# KiCad board tekskey-rounded.kicad_pcb (continued)
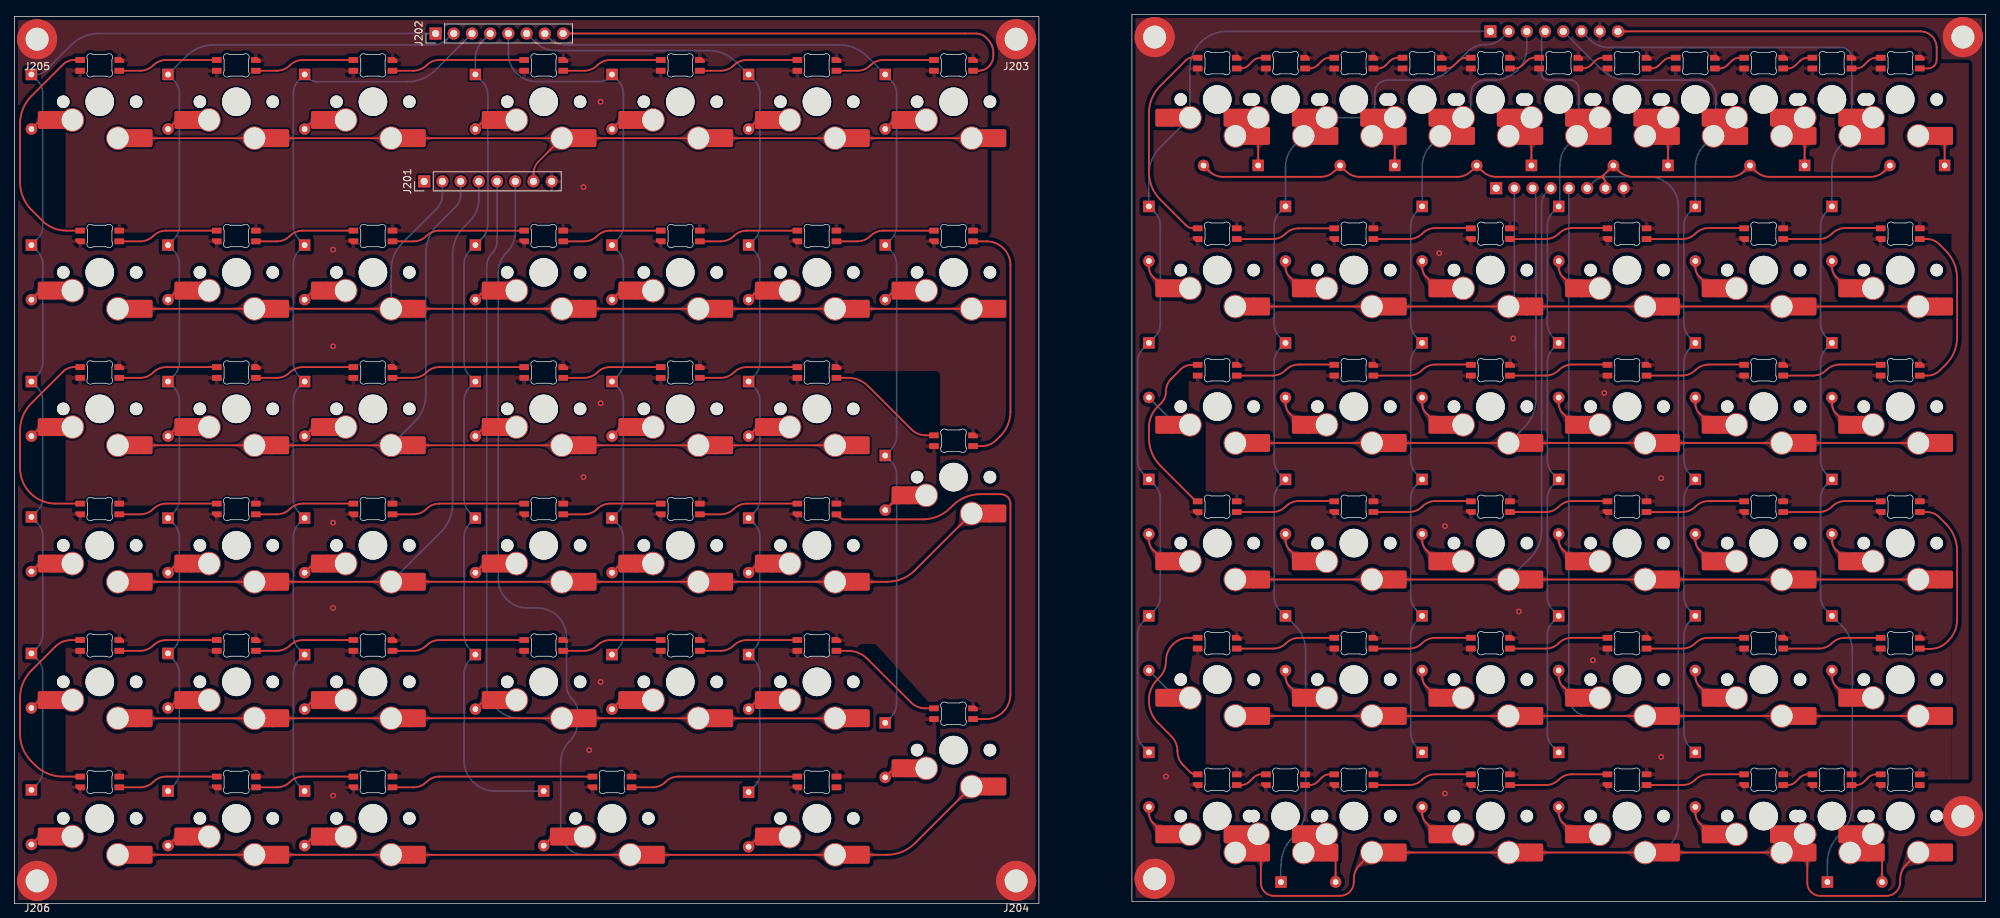
[diagram p0: board, top side]
## Routing (per net, layer and track width the routed paths; a pad name or vN(x,y) marks a point on that pad's centre or on a via; arc(x,y) is an arc through that point) (continued)
Net-(LED113-Pad3): length 14
  Top w0.25: LED113.3 175.42,73.7 arc(176.43,73.9) 177.29,74.48 arc(178.14,75.05) 179.15,75.25 184.02,75.25
Net-(LED114-Pad3): length 14
  Top w0.25: LED114.3 194.47,73.7 arc(195.48,73.9) 196.34,74.48 arc(197.19,75.05) 198.2,75.25 203.07,75.25
Net-(LED115-Pad3): length 14
  Top w0.25: LED115.3 213.52,73.7 arc(214.53,73.9) 215.39,74.48 arc(216.24,75.05) 217.25,75.25 222.12,75.25
Net-(LED116-Pad3): length 14
  Top w0.25: LED116.3 232.57,73.7 arc(233.58,73.9) 234.44,74.48 arc(235.29,75.05) 236.3,75.25 241.17,75.25
Net-(LED117-Pad3): length 14
  Top w0.25: LED117.3 250.83,73.7 arc(251.84,73.9) 252.69,74.48 arc(253.55,75.05) 254.56,75.25 260.22,75.25
Net-(LED119-Pad2): length 14
  Top w0.25: 184.02,56.2 179.15,56.2 arc(178.14,56) 177.29,55.43 arc(176.43,54.85) 175.42,54.65 LED119.2
Net-(LED120-Pad2): length 14
  Top w0.25: 203.07,56.2 198.2,56.2 arc(197.19,56) 196.34,55.43 arc(195.48,54.85) 194.47,54.65 LED120.2
Net-(LED121-Pad2): length 14
  Top w0.25: LED121.2 213.52,54.65 arc(214.53,54.85) 215.39,55.43 arc(216.24,56) 217.25,56.2 222.12,56.2
Net-(LED122-Pad2): length 14
  Top w0.25: 241.17,56.2 236.3,56.2 arc(235.29,56) 234.44,55.43 arc(233.58,54.85) 232.57,54.65 LED122.2
Net-(LED123-Pad2): length 14
  Top w0.25: 260.22,56.2 255.35,56.2 arc(254.34,56) 253.49,55.43 arc(252.63,54.85) 251.62,54.65 LED123.2
Net-(LED124-Pad2): length 25.5
  Top w0.25: 265.76,35.56 267.15,35.56 arc(268.44,35.82) 269.53,36.55 269.74,36.75 arc(270.62,38.07) 270.93,39.63 270.93,49.18 arc(270.51,51.26) 269.33,53.03 268.41,53.95 arc(267.63,54.47) 266.71,54.65 LED124.2
Net-(LED125-Pad2): length 25.5
  Top w0.25: LED125.2 163.75,37.1 arc(162.58,36.87) 161.59,36.21 161.54,36.16 arc(160.85,35.12) 160.6,33.89 160.6,33.86 arc(160.35,32.6) 159.64,31.53 159.41,31.3 arc(158.53,29.99) 158.22,28.43 158.22,28.3 arc(158.55,26.63) 159.5,25.21 161.35,23.36 arc(161.97,22.43) 162.19,21.33 arc(162.41,20.23) 163.03,19.3 164.01,18.32 arc(164.3,18.12) 164.65,18.05 LED131.3
Net-(LED125-Pad3): length 14
  Top w0.25: LED125.3 175.54,35.6 arc(176.52,35.8) 177.35,36.35 arc(178.18,36.91) 179.16,37.1 LED126.2
Net-(LED126-Pad3): length 14
  Top w0.25: LED126.3 194.51,35.6 arc(195.49,35.8) 196.32,36.35 arc(197.15,36.91) 198.13,37.1 LED127.2
Net-(LED127-Pad3): length 14
  Top w0.25: LED127.3 213.56,35.6 arc(214.54,35.8) 215.37,36.35 arc(216.2,36.91) 217.18,37.1 LED128.2
Net-(LED128-Pad3): length 14
  Top w0.25: LED128.3 232.61,35.6 arc(233.59,35.8) 234.42,36.35 arc(235.25,36.91) 236.23,37.1 LED129.2
Net-(LED129-Pad3): length 14
  Top w0.25: LED130.2 255.28,37.1 arc(254.3,36.91) 253.47,36.35 arc(252.64,35.8) 251.66,35.6 LED129.3
Net-(LED131-Pad2): length 4.6
  Top w0.25: LED132.3 173.9,18.05 arc(173.3,17.94) 172.8,17.6 172.21,17.01 arc(171.7,16.67) 171.11,16.55 LED131.2
Net-(LED132-Pad2): length 4.6
  Top w0.25: LED133.3 183.42,18.05 arc(182.83,17.94) 182.32,17.6 181.73,17.01 arc(181.23,16.67) 180.63,16.55 LED132.2
Net-(LED133-Pad2): length 14
  Top w0.25: LED133.2 194.51,16.55 arc(195.49,16.75) 196.32,17.3 arc(197.15,17.86) 198.13,18.05 LED134.3
Net-(LED134-Pad2): length 14
  Top w0.25: LED135.3 217.18,18.05 arc(216.2,17.86) 215.37,17.3 arc(214.54,16.75) 213.56,16.55 LED134.2
Net-(LED135-Pad2): length 14
  Top w0.25: LED135.2 232.61,16.55 arc(233.59,16.75) 234.42,17.3 arc(235.25,17.86) 236.23,18.05 LED136.3
Net-(LED136-Pad2): length 4.6
  Top w0.25: LED137.3 250.1,18.05 arc(249.5,17.94) 249,17.6 248.41,17.01 arc(247.9,16.67) 247.31,16.55 LED136.2
Net-(LED137-Pad2): length 4.6
  Top w0.25: 256.19,16.55 256.84,16.55 arc(257.43,16.67) 257.93,17.01 258.52,17.6 arc(259.03,17.94) 259.62,18.05 LED138.3
Net-(LED201-Pad2): length 33.3
  Top w0.25: LED208.3 7.23,93.94 arc(5.43,94.29) 3.9,95.31 2.39,96.83 arc(1.21,98.6) 0.79,100.68 0.79,108.87 arc(1.21,110.95) 2.39,112.72 6.79,117.13 arc(7.48,117.59) 8.3,117.75 LED201.2
Net-(LED201-Pad3): length 14
  Top w0.25: LED202.2 21.18,117.75 arc(20.2,117.55) 19.37,117 arc(18.54,116.44) 17.56,116.25 LED201.3
Net-(LED202-Pad3): length 14
  Top w0.25: LED202.3 36.61,116.25 arc(37.59,116.44) 38.42,117 arc(39.25,117.55) 40.23,117.75 LED203.2
Net-(LED203-Pad3): length 18.8
  Top w0.25: LED204.2 59.28,117.75 arc(58.3,117.55) 57.47,117 arc(56.64,116.44) 55.66,116.25 LED203.3
Net-(LED204-Pad3): length 14
  Top w0.25: LED204.3 79.47,116.25 arc(80.45,116.44) 81.28,117 arc(82.11,117.55) 83.09,117.75 LED205.2
Net-(LED205-Pad3): length 14
  Top w0.25: LED205.3 98.52,116.25 arc(99.5,116.44) 100.33,117 arc(101.16,117.55) 102.14,117.75 LED206.2
Net-(LED206-Pad3): length 14
  Top w0.25: LED206.3 117.57,116.25 arc(118.55,116.44) 119.38,117 arc(120.21,117.55) 121.19,117.75 LED207.2
Net-(LED208-Pad2): length 14
  Top w0.25: LED209.3 21.18,93.94 arc(20.2,93.74) 19.37,93.19 arc(18.54,92.63) 17.56,92.44 LED208.2
Net-(LED209-Pad2): length 14
  Top w0.25: LED209.2 36.61,92.44 arc(37.59,92.63) 38.42,93.19 arc(39.25,93.74) 40.23,93.94 LED210.3
Net-(LED210-Pad2): length 18.8
  Top w0.25: LED210.2 55.66,92.44 arc(56.64,92.63) 57.47,93.19 arc(58.3,93.74) 59.28,93.94 LED211.3
Net-(LED211-Pad2): length 14
  Top w0.25: LED212.3 83.09,93.94 arc(82.11,93.74) 81.28,93.19 arc(80.45,92.63) 79.47,92.44 LED211.2
Net-(LED212-Pad2): length 14
  Top w0.25: LED213.3 102.14,93.94 arc(101.16,93.74) 100.33,93.19 arc(99.5,92.63) 98.52,92.44 LED212.2
Net-(LED213-Pad2): length 14
  Top w0.25: LED214.3 121.19,93.94 arc(120.21,93.74) 119.38,93.19 arc(118.55,92.63) 117.57,92.44 LED213.2
Net-(LED214-Pad2): length 35.6
  Top w0.25: LED221.3 134.89,63.86 arc(136,64.08) 136.94,64.71 137.5,65.27 arc(138.54,66.83) 138.91,68.66 138.91,89.11 arc(138.65,90.38) 137.93,91.46 arc(136.85,92.18) 135.58,92.44 LED214.2
Net-(LED215-Pad2): length 29.5
  Top w0.25: LED215.2 8.3,74.89 arc(7.48,74.72) 6.79,74.26 2.39,69.86 arc(1.21,68.09) 0.79,66.01 0.79,60.79 arc(1.17,58.89) 2.24,57.29 arc(3.85,56.21) 5.75,55.84 LED222.3
Net-(LED215-Pad3): length 14
  Top w0.25: LED215.3 17.56,73.39 arc(18.54,73.58) 19.37,74.14 arc(20.2,74.69) 21.18,74.89 LED216.2
Net-(LED216-Pad3): length 14
  Top w0.25: LED216.3 36.61,73.39 arc(37.59,73.58) 38.42,74.14 arc(39.25,74.69) 40.23,74.89 LED217.2
Net-(LED217-Pad3): length 18.8
  Top w0.25: LED218.2 59.28,74.89 arc(58.3,74.69) 57.47,74.14 arc(56.64,73.58) 55.66,73.39 LED217.3
Net-(LED218-Pad3): length 14
  Top w0.25: LED219.2 83.09,74.89 arc(82.11,74.69) 81.28,74.14 arc(80.45,73.58) 79.47,73.39 LED218.3
Net-(LED219-Pad3): length 14
  Top w0.25: LED220.2 102.14,74.89 arc(101.16,74.69) 100.33,74.14 arc(99.5,73.58) 98.52,73.39 LED219.3
Net-(LED220-Pad3): length 16.6
  Top w0.25: LED220.3 116.28,73.39 arc(117.78,73.09) 119.06,72.23 125.12,66.18 arc(126.02,65.57) 127.09,65.36 LED221.2
Net-(LED222-Pad2): length 14
  Top w0.25: LED223.3 21.18,55.84 arc(20.2,55.64) 19.37,55.09 arc(18.54,54.53) 17.56,54.34 LED222.2
Net-(LED223-Pad2): length 14
  Top w0.25: LED224.3 40.23,55.84 arc(39.25,55.64) 38.42,55.09 arc(37.59,54.53) 36.61,54.34 LED223.2
Net-(LED224-Pad2): length 18.8
  Top w0.25: LED224.2 55.66,54.34 arc(56.64,54.53) 57.47,55.09 arc(58.3,55.64) 59.28,55.84 LED225.3
Net-(LED225-Pad2): length 14
  Top w0.25: LED225.2 79.47,54.34 arc(80.45,54.53) 81.28,55.09 arc(82.11,55.64) 83.09,55.84 LED226.3
Net-(LED226-Pad2): length 14
  Top w0.25: LED227.3 102.14,55.84 arc(101.16,55.64) 100.33,55.09 arc(99.5,54.53) 98.52,54.34 LED226.2
Net-(LED227-Pad2): length 60
  Top w0.25: LED227.2 115,53.98 arc(115.38,53.72) 115.84,53.63 126.68,53.63 arc(128.76,54.05) 130.52,55.23 130.85,55.56 arc(132.62,56.74) 134.7,57.15 137.55,57.15 arc(138.07,57.05) 138.51,56.75 arc(138.8,56.31) 138.91,55.79 138.91,29.21 arc(138.64,27.89) 137.9,26.77 arc(136.78,26.02) 135.46,25.76 LED235.3
Net-(LED229-Pad2): length 29.4
  Top w0.25: LED236.3 6.74,17.74 arc(4.66,18.15) 2.89,19.33 2.39,19.84 arc(1.21,21.6) 0.79,23.69 0.79,28.7 arc(1.21,30.78) 2.39,32.55 5.72,35.88 arc(6.72,36.55) 7.9,36.79 LED229.2
Net-(LED229-Pad3): length 14
  Top w0.25: LED229.3 17.56,35.29 arc(18.54,35.48) 19.37,36.04 arc(20.2,36.59) 21.18,36.79 LED230.2
Net-(LED230-Pad3): length 14
  Top w0.25: LED231.2 40.23,36.79 arc(39.25,36.59) 38.42,36.04 arc(37.59,35.48) 36.61,35.29 LED230.3
Net-(LED231-Pad3): length 18.8
  Top w0.25: LED232.2 59.28,36.79 arc(58.3,36.59) 57.47,36.04 arc(56.64,35.48) 55.66,35.29 LED231.3
Net-(LED232-Pad3): length 14
  Top w0.25: LED232.3 79.47,35.29 arc(80.45,35.48) 81.28,36.04 arc(82.11,36.59) 83.09,36.79 LED233.2
Net-(LED233-Pad3): length 14
  Top w0.25: LED233.3 98.52,35.29 arc(99.5,35.48) 100.33,36.04 arc(101.16,36.59) 102.14,36.79 LED234.2
Net-(LED234-Pad3): length 16.6
  Top w0.25: LED235.2 127.05,27.26 arc(125.95,27.48) 125.02,28.1 118.96,34.16 arc(117.71,34.99) 116.24,35.29 LED234.3
Net-(LED236-Pad2): length 14
  Top w0.25: LED237.3 21.18,17.74 arc(20.2,17.54) 19.37,16.99 arc(18.54,16.43) 17.56,16.24 LED236.2
Net-(LED237-Pad2): length 14
  Top w0.25: LED237.2 36.61,16.24 arc(37.59,16.43) 38.42,16.99 arc(39.25,17.54) 40.23,17.74 LED238.3
Net-(LED238-Pad2): length 28.3
  Top w0.25: LED239.3 59.28,17.74 arc(58.3,17.54) 57.47,16.99 arc(56.64,16.43) 55.66,16.24 LED238.2
Net-(LED239-Pad2): length 23.5
  Top w0.25: LED239.2 88.99,16.24 arc(89.97,16.43) 90.81,16.99 arc(91.64,17.54) 92.62,17.74 LED241.3

## Copper pours and planes (outline as drawn; the poured copper is in the pictures)
+5V on Top: 270.13,55.4 166.15,55.4 166.15,67.31 163.77,69.69 163.77,74.45 270.13,74.45
+5V on Top: 272.52,93.5 164.57,93.5 158.22,99.85 158.22,112.55 162.98,117.32 272.52,117.32
+5V on Top: 270.93,51.44 267.75,54.61 267.75,73.66 270.93,76.83
+5V on Top: 272.52,17.3 270.13,17.3 270.13,117.32 272.52,117.32
+5V on Top: 270.13,17.3 166.15,17.3 166.15,29.21 163.77,31.59 164.57,36.35 270.13,36.35
+5V on Bottom: 232.03,18.1 226.48,18.1 226.48,26.83 216.95,26.83 216.95,101.44 232.03,101.44
+5VA on Top: 135.73,93.66 7.14,93.66 7.14,116.68 135.73,116.68
+5VA on Top: 128.59,26.19 128.59,17.46 7.14,17.46 7.14,35.72 119.86,35.72
+5VA on Top: 128.59,55.56 7.14,55.56 7.14,73.82 128.59,73.82
+5VA on Top: 115.09,32.54 108.74,32.54 108.74,34.92 115.09,34.92
+5VA on Bottom: 84.14,13.49 75.41,13.49 75.41,115.09 84.93,115.09
GND on Top: 274.9,124.12 274.9,0.3 155.84,0.3 155.84,124.12
GND on Bottom: 274.9,0.3 155.84,0.3 155.84,124.12 274.9,124.12
GND1 on Top, Bottom: 142.88,0 0,0 0,123.82 142.88,123.82
GND1 on Bottom: 48.42,13.49 41.27,13.49 41.27,113.51 48.42,113.51
col0 on Bottom: 157.06,38.67 157.17,38.86 157.29,39 157.41,39.1 157.53,39.17 157.66,39.22 157.8,39.25 158.11,39.31 158.29,39.35 158.48,39.41 158.5,40.45 157.46,40.43 157.39,40.22 157.34,40.05 157.25,39.76 157.21,39.62 157.16,39.49 157.11,39.35 157.04,39.19 156.95,39 156.84,38.79
col0 on Bottom: 163.81,112.99 163.78,112.59 163.72,112.27 163.62,112.01 163.49,111.79 163.34,111.59 163.17,111.41 162.99,111.21 162.8,110.99 162.62,110.73 162.45,110.42 163.93,108.87 165.42,110.42 165.24,110.73 165.06,110.99 164.87,111.21 164.69,111.41 164.52,111.59 164.37,111.79 164.24,112.01 164.14,112.27 164.08,112.59 164.06,112.99
col0 on Bottom: 159.37,41.66 159.26,41.47 159.15,41.33 159.03,41.23 158.9,41.16 158.77,41.11 158.63,41.08 158.32,41.02 158.15,40.98 157.95,40.92 157.93,39.88 158.97,39.9 159.04,40.1 159.09,40.28 159.18,40.57 159.22,40.7 159.27,40.84 159.33,40.98 159.4,41.14 159.48,41.33 159.59,41.54
col0 on Bottom: 158.09,98.9 158.08,98.72 158.05,98.56 158.01,98.44 157.96,98.33 157.89,98.23 157.82,98.14 157.74,98.04 157.66,97.94 157.58,97.81 157.5,97.66 158.22,96.91 158.94,97.66 158.86,97.81 158.77,97.94 158.69,98.04 158.61,98.14 158.54,98.23 158.47,98.33 158.42,98.44 158.38,98.56 158.35,98.72 158.34,98.9
col0 on Bottom: 204.15,121.62 204.35,121.61 204.51,121.58 204.65,121.53 204.76,121.47 204.87,121.4 204.97,121.32 205.07,121.24 205.18,121.15 205.31,121.06 205.47,120.98 206.27,121.74 205.47,122.51 205.31,122.42 205.18,122.33 205.07,122.24 204.97,122.16 204.87,122.08 204.76,122.01 204.65,121.95 204.51,121.9 204.35,121.88 204.15,121.87
col0 on Bottom: 161.69,107.28 161.99,107.54 162.26,107.72 162.52,107.84 162.76,107.9 163.01,107.94 163.26,107.95 163.53,107.96 163.81,107.98 164.12,108.04 164.47,108.14 164.51,110.28 162.37,110.24 162.27,109.89 162.22,109.58 162.19,109.29 162.18,109.03 162.17,108.77 162.14,108.53 162.07,108.28 161.96,108.02 161.78,107.75 161.52,107.46
col0 on Bottom: 156.84,22.49 156.95,22.27 157.04,22.09 157.11,21.93 157.16,21.79 157.21,21.65 157.25,21.52 157.34,21.23 157.39,21.05 157.46,20.85 158.5,20.83 158.48,21.87 158.29,21.93 158.11,21.97 157.8,22.02 157.66,22.06 157.53,22.11 157.41,22.18 157.29,22.28 157.17,22.42 157.06,22.6
col0 on Bottom: 159.59,95.94 159.48,96.15 159.4,96.34 159.33,96.5 159.27,96.64 159.22,96.77 159.18,96.91 159.09,97.2 159.04,97.37 158.97,97.58 157.93,97.6 157.95,96.56 158.15,96.5 158.32,96.46 158.63,96.4 158.77,96.37 158.9,96.32 159.03,96.25 159.15,96.15 159.26,96.01 159.37,95.82
col1 on Top: 181.83,108.69 181.61,108.93 181.42,109.13 181.27,109.32 181.14,109.49 181.03,109.65 180.92,109.81 180.81,109.97 180.69,110.14 180.54,110.33 180.36,110.53 178.85,109.93 179.51,108.45 179.71,108.46 179.89,108.48 180.06,108.48 180.21,108.48 180.36,108.46 180.5,108.42 180.65,108.36 180.8,108.27 180.96,108.14 181.13,107.99
col1 on Top: 180.95,108.16 181.18,107.93 181.36,107.72 181.51,107.53 181.64,107.36 181.76,107.2 181.86,107.04 181.98,106.88 182.1,106.71 182.25,106.53 182.43,106.32 183.94,106.92 183.27,108.4 183.08,108.39 182.9,108.38 182.73,108.37 182.58,108.38 182.43,108.4 182.28,108.43 182.14,108.5 181.99,108.59 181.83,108.71 181.66,108.87
col1 on Bottom: 180.46,107.64 180.73,107.87 180.98,108.03 181.22,108.12 181.45,108.17 181.68,108.17 181.92,108.14 182.17,108.11 182.44,108.07 182.74,108.05 183.08,108.05 183.7,110.1 181.63,110.64 181.43,110.31 181.29,110.01 181.19,109.73 181.13,109.47 181.07,109.21 181.01,108.96 180.91,108.69 180.77,108.42 180.57,108.13 180.29,107.81
col1 on Bottom: 176.11,57.72 176.22,57.91 176.34,58.05 176.46,58.15 176.58,58.22 176.71,58.27 176.85,58.3 177.16,58.36 177.34,58.4 177.53,58.46 177.55,59.5 176.51,59.48 176.44,59.27 176.39,59.1 176.3,58.81 176.26,58.67 176.21,58.54 176.16,58.4 176.09,58.24 176,58.05 175.89,57.84
col1 on Bottom: 177.73,104.48 177.91,104.82 178.1,105.06 178.32,105.22 178.55,105.32 178.8,105.37 179.07,105.4 179.36,105.42 179.67,105.45 180,105.5 180.35,105.6 180.39,107.74 178.25,107.7 178.13,107.32 178.05,107 178,106.71 177.96,106.44 177.94,106.18 177.9,105.92 177.85,105.65 177.78,105.34 177.66,104.99 177.5,104.58
col1 on Bottom: 206.85,120.2 207.08,120.33 207.29,120.43 207.46,120.52 207.62,120.59 207.77,120.64 207.92,120.69 208.07,120.74 208.24,120.8 208.43,120.86 208.66,120.94 208.68,122.04 207.58,122.02 207.51,121.8 207.46,121.6 207.43,121.42 207.39,121.26 207.35,121.1 207.29,120.96 207.21,120.82 207.09,120.68 206.93,120.55 206.73,120.42
col1 on Bottom: 175.89,41.54 176,41.33 176.09,41.14 176.16,40.98 176.21,40.84 176.26,40.7 176.3,40.57 176.39,40.28 176.44,40.1 176.51,39.9 177.55,39.88 177.53,40.92 177.34,40.98 177.16,41.02 176.85,41.08 176.71,41.11 176.58,41.16 176.46,41.23 176.34,41.33 176.22,41.47 176.11,41.66
col1 on Bottom: 177.14,98.9 177.13,98.72 177.1,98.56 177.06,98.44 177.01,98.33 176.94,98.23 176.87,98.14 176.79,98.04 176.71,97.94 176.63,97.81 176.55,97.66 177.27,96.91 177.99,97.66 177.91,97.81 177.82,97.94 177.74,98.04 177.66,98.14 177.59,98.23 177.52,98.33 177.47,98.44 177.43,98.56 177.4,98.72 177.39,98.9
col1 on Bottom: 186.27,109.82 185.88,109.84 185.56,109.91 185.3,110.01 185.07,110.14 184.88,110.29 184.69,110.46 184.5,110.64 184.28,110.82 184.02,111.01 183.7,111.18 182.16,109.7 183.7,108.21 184.02,108.39 184.28,108.57 184.5,108.75 184.69,108.93 184.88,109.1 185.07,109.26 185.3,109.38 185.56,109.48 185.88,109.55 186.27,109.57
col1 on Bottom: 178.48,39.13 178.35,39.27 178.26,39.39 178.2,39.51 178.17,39.63 178.14,39.74 178.13,39.86 178.12,39.99 178.1,40.12 178.07,40.26 178.02,40.43 176.98,40.45 177,39.41 177.17,39.36 177.31,39.33 177.44,39.31 177.57,39.3 177.69,39.29 177.8,39.26 177.92,39.23 178.04,39.17 178.16,39.08 178.3,38.95
col1 on Bottom: 175.89,60.59 176,60.38 176.09,60.19 176.16,60.03 176.21,59.89 176.26,59.75 176.3,59.62 176.39,59.33 176.44,59.15 176.51,58.95 177.55,58.93 177.53,59.97 177.34,60.03 177.16,60.07 176.85,60.13 176.71,60.16 176.58,60.21 176.46,60.28 176.34,60.38 176.22,60.52 176.11,60.71
col1 on Bottom: 182.04,109.57 181.75,109.31 181.48,109.13 181.22,109.01 180.97,108.95 180.73,108.92 180.48,108.9 180.21,108.89 179.93,108.87 179.61,108.81 179.26,108.71 179.22,106.57 181.36,106.61 181.46,106.96 181.52,107.28 181.54,107.56 181.55,107.83 181.57,108.08 181.6,108.32 181.66,108.57 181.78,108.83 181.96,109.1 182.22,109.39
col1 on Bottom: 176.51,4.61 176.5,4.42 176.47,4.27 176.43,4.14 176.37,4.03 176.31,3.93 176.23,3.84 176.16,3.74 176.07,3.64 175.99,3.51 175.91,3.36 176.63,2.62 177.35,3.36 177.27,3.51 177.19,3.64 177.11,3.74 177.03,3.84 176.95,3.93 176.89,4.03 176.83,4.14 176.79,4.27 176.77,4.42 176.76,4.61
col1 on Bottom: 176.11,95.82 176.22,96.01 176.34,96.15 176.46,96.25 176.58,96.32 176.71,96.37 176.85,96.4 177.16,96.46 177.34,96.5 177.53,96.56 177.55,97.6 176.51,97.58 176.44,97.37 176.39,97.2 176.3,96.91 176.26,96.77 176.21,96.64 176.16,96.5 176.09,96.34 176,96.15 175.89,95.94
col2 on Top: 200,108.16 200.23,107.93 200.41,107.72 200.56,107.53 200.69,107.36 200.81,107.2 200.91,107.04 201.03,106.88 201.15,106.71 201.3,106.53 201.48,106.32 202.99,106.92 202.32,108.4 202.13,108.39 201.95,108.38 201.78,108.37 201.63,108.38 201.48,108.4 201.33,108.43 201.19,108.5 201.04,108.59 200.88,108.71 200.71,108.87
col2 on Top: 200.88,108.69 200.66,108.93 200.47,109.13 200.32,109.32 200.19,109.49 200.08,109.65 199.97,109.81 199.86,109.97 199.74,110.14 199.59,110.33 199.41,110.53 197.9,109.93 198.56,108.45 198.76,108.46 198.94,108.48 199.11,108.48 199.26,108.48 199.41,108.46 199.55,108.42 199.7,108.36 199.85,108.27 200.01,108.14 200.18,107.99
col2 on Bottom: 194.94,79.64 195.05,79.43 195.14,79.24 195.21,79.08 195.26,78.94 195.31,78.8 195.35,78.67 195.44,78.38 195.49,78.2 195.56,78 196.6,77.98 196.58,79.02 196.39,79.08 196.21,79.12 195.9,79.18 195.76,79.21 195.63,79.26 195.51,79.33 195.39,79.43 195.27,79.57 195.16,79.76
col2 on Bottom: 211.05,120.05 211.06,120.25 211.09,120.41 211.13,120.55 211.19,120.66 211.26,120.77 211.34,120.86 211.42,120.97 211.51,121.08 211.6,121.21 211.69,121.37 210.92,122.17 210.16,121.37 210.24,121.21 210.33,121.08 210.42,120.97 210.5,120.86 210.58,120.77 210.65,120.66 210.71,120.55 210.76,120.41 210.79,120.25 210.8,120.05
col2 on Bottom: 196.19,98.9 196.18,98.72 196.15,98.56 196.11,98.44 196.06,98.33 195.99,98.23 195.92,98.14 195.84,98.04 195.76,97.94 195.68,97.81 195.6,97.66 196.32,96.91 197.04,97.66 196.96,97.81 196.87,97.94 196.79,98.04 196.71,98.14 196.64,98.23 196.57,98.33 196.52,98.44 196.48,98.56 196.45,98.72 196.44,98.9
col2 on Bottom: 194.94,22.49 195.05,22.28 195.14,22.09 195.21,21.93 195.26,21.79 195.31,21.65 195.35,21.52 195.44,21.23 195.49,21.05 195.56,20.85 196.6,20.83 196.58,21.87 196.39,21.93 196.21,21.97 195.9,22.03 195.76,22.06 195.63,22.11 195.51,22.18 195.39,22.28 195.27,22.42 195.16,22.61
col2 on Bottom: 199.51,107.64 199.78,107.87 200.03,108.03 200.27,108.12 200.5,108.17 200.73,108.17 200.97,108.14 201.22,108.11 201.49,108.07 201.79,108.05 202.13,108.05 202.75,110.1 200.68,110.64 200.48,110.31 200.34,110.01 200.24,109.73 200.18,109.47 200.12,109.21 200.06,108.96 199.96,108.69 199.82,108.42 199.62,108.13 199.34,107.81
col2 on Bottom: 194.94,60.59 195.05,60.38 195.14,60.19 195.21,60.03 195.26,59.89 195.31,59.75 195.35,59.62 195.44,59.33 195.49,59.15 195.56,58.95 196.6,58.93 196.58,59.97 196.39,60.03 196.21,60.07 195.9,60.13 195.76,60.16 195.63,60.21 195.51,60.28 195.39,60.38 195.27,60.52 195.16,60.71
col2 on Bottom: 195.16,95.82 195.27,96.01 195.39,96.15 195.51,96.25 195.63,96.32 195.76,96.37 195.9,96.4 196.21,96.46 196.39,96.5 196.58,96.56 196.6,97.6 195.56,97.58 195.49,97.37 195.44,97.2 195.35,96.91 195.31,96.77 195.26,96.64 195.21,96.5 195.14,96.34 195.05,96.15 194.94,95.94
col2 on Bottom: 195.16,57.72 195.27,57.91 195.39,58.05 195.51,58.15 195.63,58.22 195.76,58.27 195.9,58.3 196.21,58.36 196.39,58.4 196.58,58.46 196.6,59.5 195.56,59.48 195.49,59.27 195.44,59.1 195.35,58.81 195.31,58.67 195.26,58.54 195.21,58.4 195.14,58.24 195.05,58.05 194.94,57.84
col2 on Bottom: 194.94,41.54 195.05,41.33 195.14,41.14 195.21,40.98 195.26,40.84 195.31,40.7 195.35,40.57 195.44,40.28 195.49,40.1 195.56,39.9 196.6,39.88 196.58,40.92 196.39,40.98 196.21,41.02 195.9,41.08 195.76,41.11 195.63,41.16 195.51,41.23 195.39,41.33 195.27,41.47 195.16,41.66
col2 on Bottom: 195.16,38.67 195.27,38.86 195.39,39 195.51,39.1 195.63,39.17 195.76,39.22 195.9,39.25 196.21,39.31 196.39,39.35 196.58,39.41 196.6,40.45 195.56,40.43 195.49,40.22 195.44,40.05 195.35,39.76 195.31,39.62 195.26,39.49 195.21,39.35 195.14,39.19 195.05,39 194.94,38.79
col2 on Bottom: 195.16,76.77 195.27,76.96 195.39,77.1 195.51,77.2 195.63,77.27 195.76,77.32 195.9,77.35 196.21,77.41 196.39,77.45 196.58,77.51 196.6,78.55 195.56,78.53 195.49,78.32 195.44,78.15 195.35,77.86 195.31,77.72 195.26,77.59 195.21,77.45 195.14,77.29 195.05,77.1 194.94,76.89
col2 on Bottom: 202.97,112.61 202.95,112.32 202.89,112.09 202.79,111.91 202.65,111.77 202.49,111.65 202.3,111.56 202.09,111.48 201.86,111.4 201.62,111.31 201.36,111.2 201.5,109.07 203.68,109.7 203.67,110.06 203.63,110.36 203.58,110.63 203.52,110.87 203.45,111.09 203.38,111.33 203.32,111.58 203.27,111.87 203.23,112.21 203.22,112.61
col2 on Bottom: 196.78,104.48 196.96,104.82 197.15,105.06 197.37,105.22 197.6,105.32 197.85,105.37 198.12,105.4 198.41,105.42 198.72,105.45 199.05,105.5 199.4,105.6 199.44,107.74 197.3,107.7 197.18,107.32 197.1,107 197.05,106.71 197.01,106.44 196.99,106.18 196.95,105.92 196.9,105.65 196.83,105.34 196.71,104.99 196.55,104.58
col2 on Bottom: 201.09,109.57 200.8,109.31 200.53,109.13 200.27,109.01 200.02,108.95 199.78,108.92 199.53,108.9 199.26,108.89 198.98,108.87 198.66,108.81 198.31,108.71 198.27,106.57 200.41,106.61 200.51,106.96 200.57,107.28 200.59,107.56 200.6,107.83 200.62,108.08 200.65,108.32 200.71,108.57 200.83,108.83 201.01,109.1 201.27,109.39
col3 on Top: 219.93,108.69 219.71,108.93 219.52,109.13 219.37,109.32 219.24,109.49 219.13,109.65 219.02,109.81 218.91,109.97 218.79,110.14 218.64,110.33 218.46,110.53 216.95,109.93 217.61,108.45 217.81,108.46 217.99,108.48 218.16,108.48 218.31,108.48 218.46,108.46 218.6,108.42 218.75,108.36 218.9,108.27 219.06,108.14 219.23,107.99
col3 on Top: 219.05,108.16 219.28,107.93 219.46,107.72 219.61,107.53 219.74,107.36 219.86,107.2 219.96,107.04 220.08,106.88 220.2,106.71 220.35,106.53 220.53,106.32 222.04,106.92 221.37,108.4 221.18,108.39 221,108.38 220.83,108.37 220.68,108.38 220.53,108.4 220.38,108.43 220.24,108.5 220.09,108.59 219.93,108.71 219.76,108.87
col3 on Bottom: 219.8,109.23 219.61,109.06 219.43,108.93 219.24,108.84 219.06,108.79 218.89,108.76 218.71,108.75 218.54,108.75 218.37,108.77 218.2,108.79 218.03,108.8 217.32,106.57 219.55,107.28 219.54,107.45 219.52,107.62 219.5,107.79 219.5,107.96 219.51,108.14 219.54,108.31 219.59,108.49 219.68,108.68 219.81,108.86 219.98,109.05
col3 on Bottom: 213.11,120.18 213.12,120.33 213.15,120.46 213.2,120.56 213.26,120.64 213.34,120.71 213.43,120.77 213.54,120.82 213.65,120.88 213.77,120.94 213.89,121.01 213.7,122.09 212.61,121.74 212.62,121.55 212.64,121.39 212.67,121.24 212.7,121.12 212.74,120.99 212.78,120.87 212.81,120.73 212.84,120.58 212.86,120.4 212.86,120.18
col3 on Bottom: 213.99,41.54 214.1,41.33 214.19,41.14 214.26,40.98 214.31,40.84 214.36,40.7 214.4,40.57 214.49,40.28 214.54,40.1 214.61,39.9 215.65,39.88 215.63,40.92 215.44,40.98 215.26,41.02 214.95,41.08 214.81,41.11 214.68,41.16 214.56,41.23 214.44,41.33 214.32,41.47 214.21,41.66
col3 on Bottom: 213.99,60.59 214.1,60.38 214.19,60.19 214.26,60.03 214.31,59.89 214.36,59.75 214.4,59.62 214.49,59.33 214.54,59.15 214.61,58.95 215.65,58.93 215.63,59.97 215.44,60.03 215.26,60.07 214.95,60.13 214.81,60.16 214.68,60.21 214.56,60.28 214.44,60.38 214.32,60.52 214.21,60.71
col3 on Bottom: 215.93,104.55 216.1,104.88 216.28,105.11 216.48,105.26 216.71,105.35 216.95,105.4 217.21,105.42 217.49,105.44 217.79,105.46 218.11,105.51 218.45,105.6 218.49,107.74 216.35,107.7 216.23,107.33 216.16,107.02 216.12,106.73 216.09,106.47 216.07,106.22 216.05,105.97 216.01,105.7 215.95,105.39 215.85,105.05 215.7,104.65
col3 on Bottom: 214.21,95.82 214.32,96.01 214.44,96.15 214.56,96.25 214.68,96.32 214.81,96.37 214.95,96.4 215.26,96.46 215.44,96.5 215.63,96.56 215.65,97.6 214.61,97.58 214.54,97.37 214.49,97.2 214.4,96.91 214.36,96.77 214.31,96.64 214.26,96.5 214.19,96.34 214.1,96.15 213.99,95.94
col3 on Bottom: 214.21,38.67 214.32,38.86 214.44,39 214.56,39.1 214.68,39.17 214.81,39.22 214.95,39.25 215.26,39.31 215.44,39.35 215.63,39.41 215.65,40.45 214.61,40.43 214.54,40.22 214.49,40.05 214.4,39.76 214.36,39.62 214.31,39.49 214.26,39.35 214.19,39.19 214.1,39 213.99,38.79